# Altium PCB STC12C5A60S2底板.PcbDoc
Units mil, origin at the board's own origin, x right, y up, seen from the top; angles counter-clockwise.
Board outline 3937.01 x 3937.01 mil, 2 copper layers (Top Layer, Bottom Layer); 74 components, 127 nets, 423 pads, 54 vias.
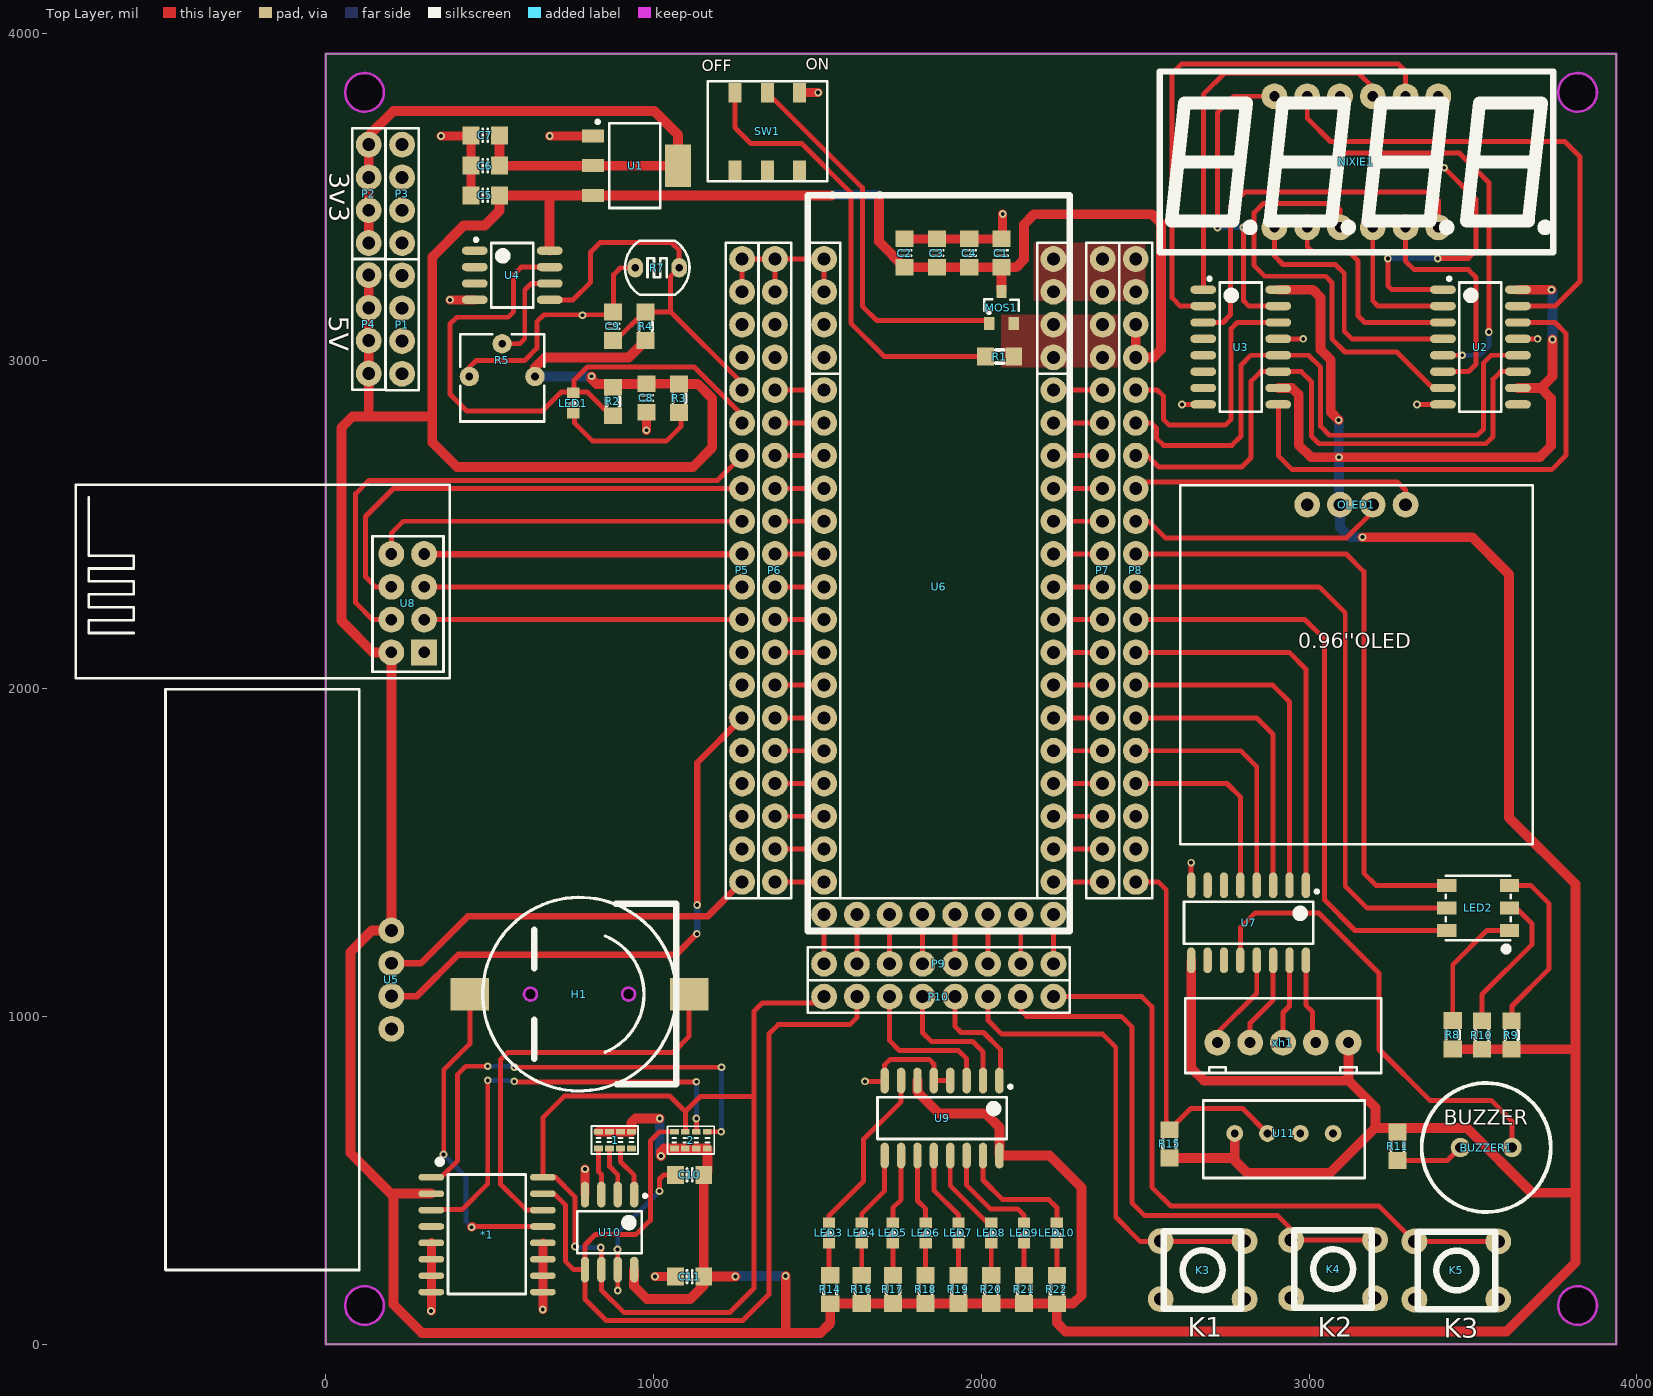
[diagram p0: Top Layer view]
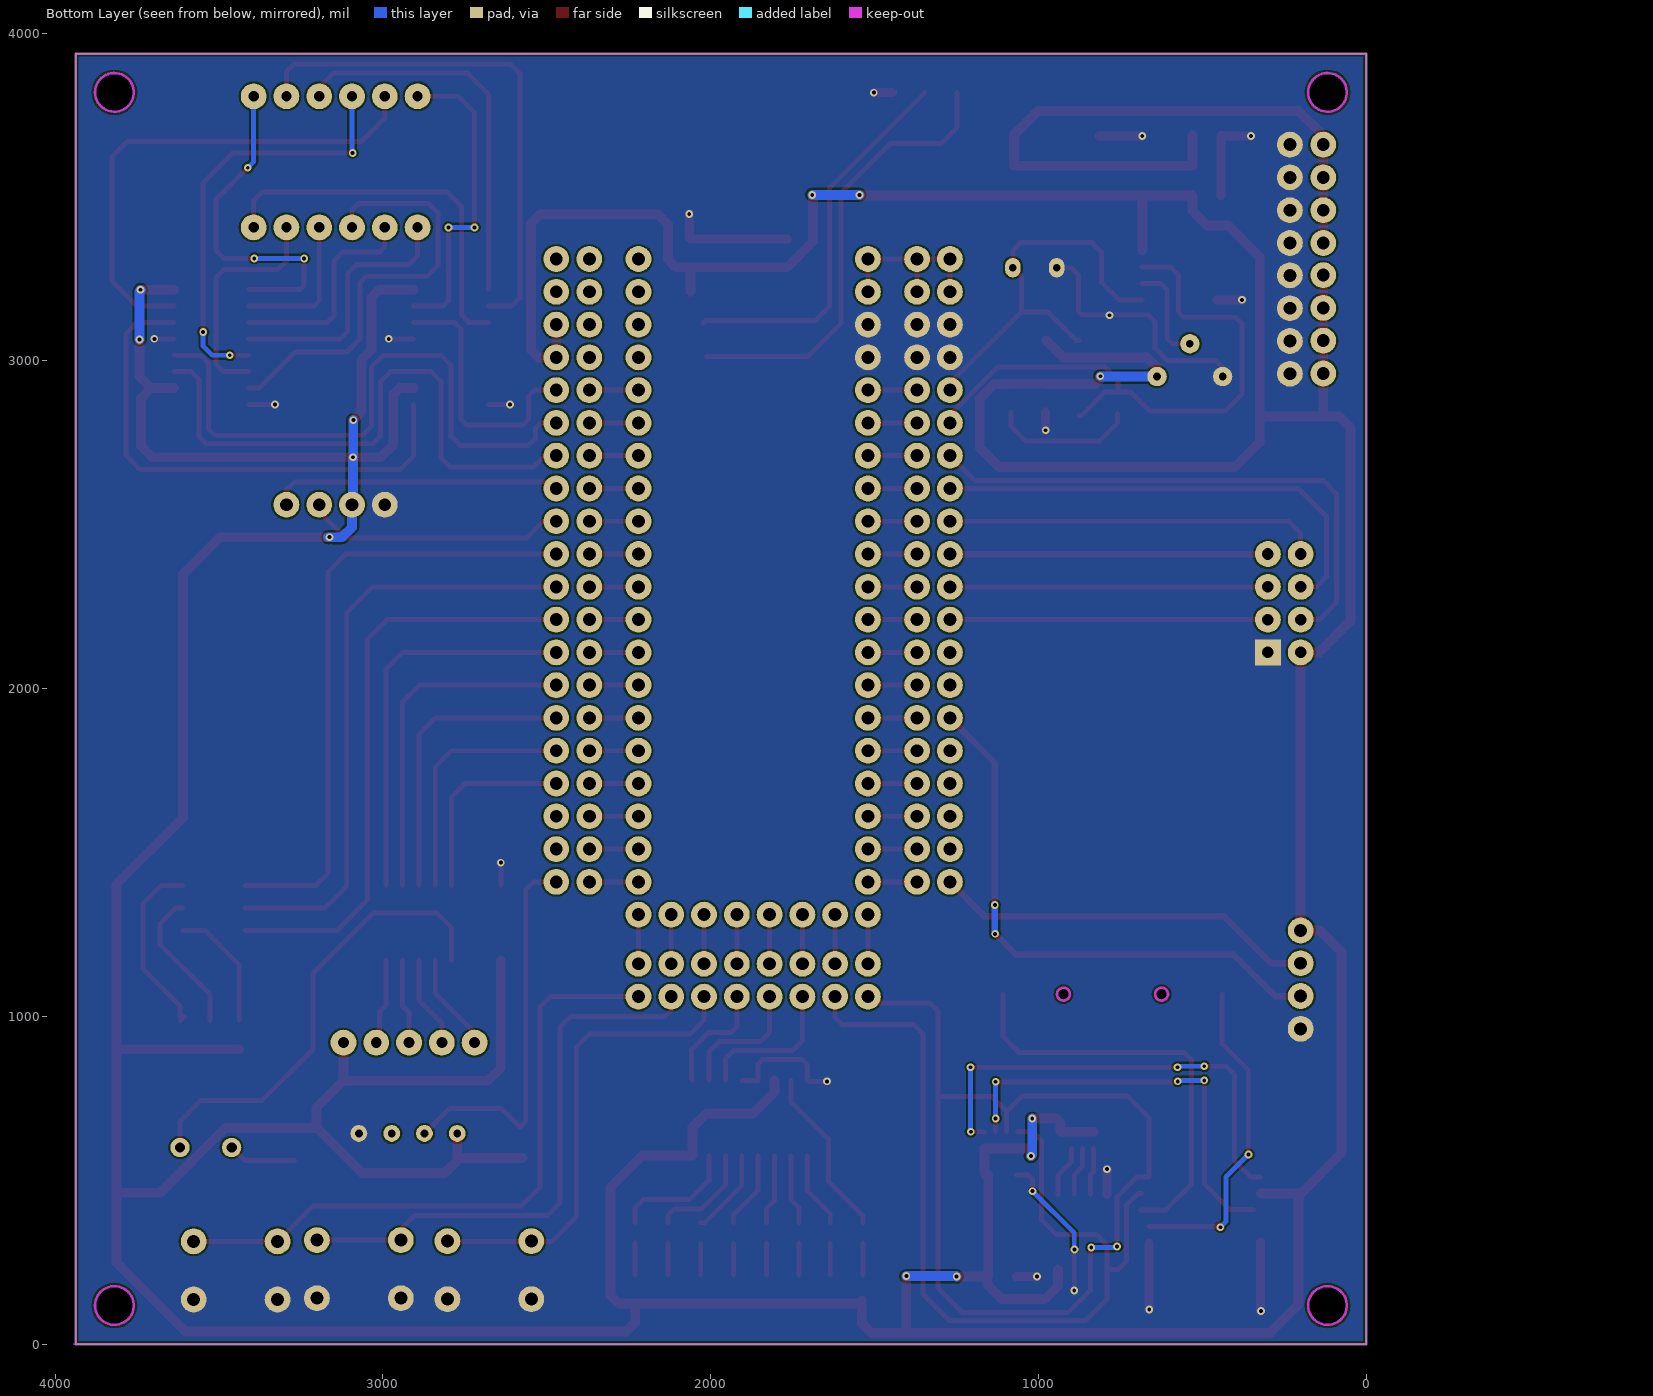
[diagram p1: Bottom Layer view, seen from below]

## Layer stack, top to bottom
Top Solder: solder mask 0.4, Solder Resist, Dk 3.5
Top Layer: signal copper 1.4
Dielectric 1: dielectric 12.6, FR-4, Dk 4.8
Bottom Layer: signal copper 1.4
Bottom Solder: solder mask 0.4, Solder Resist, Dk 3.5

## Board outline
0,3937.01 0,0 3937.01,0 3937.01,3937.01 0,3937.01
cut-out: 3759.84,3818.9 ccw(c3818.9,3818.9) 3818.9,3759.84 ccw(c3818.9,3818.9) 3877.95,3818.9 ccw(c3818.9,3818.9) 3818.9,3877.95 ccw(c3818.9,3818.9)
cut-out: 59.06,3818.9 ccw(c118.11,3818.9) 118.11,3759.84 ccw(c118.11,3818.9) 177.17,3818.9 ccw(c118.11,3818.9) 118.11,3877.95 ccw(c118.11,3818.9)
cut-out: 59.06,118.11 ccw(c118.11,118.11) 118.11,59.06 ccw(c118.11,118.11) 177.17,118.11 ccw(c118.11,118.11) 118.11,177.17 ccw(c118.11,118.11)
cut-out: 3759.84,118.11 ccw(c3818.9,118.11) 3818.9,59.06 ccw(c3818.9,118.11) 3877.95,118.11 ccw(c3818.9,118.11) 3818.9,177.17 ccw(c3818.9,118.11)

## Design rules (kind name [scope] priority, off if disabled: settings)
Clearance [All] p1: gap=6 ignorepadtopadclearanceinfootprint=FALSE except(0: Arc-Hole Track-Hole SMDPad-Hole THPad-Hole Via-Hole Fill-Hole Poly-Hole Region-Hole Text-Hole)
ComponentClearance [All] p1: gap=0 collisioncheckmode=3 verticalgap=0 showdistances=FALSE
PlaneConnect [All] p1: planeconnectstyle=Direct reliefexpansion=20 reliefentries=4 reliefconductorwidth=10 reliefairgap=10
PolygonConnect [All] p1: connectstyle=Direct reliefconductorwidth=10 reliefentries=4 polygonreliefangle="90 Angle" airgapwidth=10
RoutingVias [All] p1: holewidth=11.81 width=23.62 viastyle="Through Hole" minholewidth=11.81 minwidth=23.62 maxholewidth=236.22 maxwidth=248.03
SolderMaskExpansion [All] p1: expansion=4
Width [All] p1: maxlimit=787.4 minlimit=15 preferedwidth=15
28 further rules are at their usual default settings.

## Components (designator, comment, footprint, x,y, rotation, side; value= is the part's Value field where it differs from the comment)
1 "R30" 排阻(0603) 766.02,710.29 r270 top
2 "R21" 排阻(0603) 1230.13,534.89 r90 top
*1 "DS3231" DS3231 211,166 r0 top
BUZZER1 "BUZZER 9.6X5.5_4MM" BUZZER9.6X4_4MM 3540,600 r0 top
C1 "22μF" C_0805 2061.34,3328.85 r90 top
C2 "22μF" C_0805 1766.06,3328.85 r90 top
C3 "10μF" C_0805 1864.49,3328.85 r90 top
C4 "0.1μF" C_0805 1962.91,3328.85 r90 top
C5 "10μF" C_0805 486.48,3504.43 r180 top
C6 "10μF" C_0805 486.48,3595.23 r180 top
C7 "0.1μF" C_0805 486.48,3687.73 r180 top
C8 "0.1μF" C_0805 978,2886.69 r90 top
C9 "0.1μF" C_0805 876,3105.69 r90 top
C10 "0.1μF" C_0805 1109.9,516.49 r180 top
C11 "0.1μF" C_0805 1109.9,206.49 r180 top
H1 "CR1220" HOLDER_CR1220_SMD 774,1068 r90 top
K3 "TACT SWITCH_4_DIP" "TACT SWITCH_4_DIP" 2675,226 r180 top
K4 "TACT SWITCH_4_DIP" "TACT SWITCH_4_DIP" 3073,229 r180 top
K5 "TACT SWITCH_4_DIP" "TACT SWITCH_4_DIP" 3449,225 r180 top
LED1 "LED_0603-R" LED_0603-R 755,2871 r90 top
LED2 "RGB" "LED 5050_RGB" 3515.58,1331.1 r180 top
LED3 "LED_0603-G" LED_0603-G 1535.06,339.47 r90 top
LED4 "LED_0603-G" LED_0603-G 1635.06,339.47 r90 top
LED5 "LED_0603-G" LED_0603-G 1730.06,339.47 r90 top
LED6 "LED_0603-G" LED_0603-G 1830.06,339.47 r90 top
LED7 "LED_0603-G" LED_0603-G 1930.06,339.47 r90 top
LED8 "LED_0603-G" LED_0603-G 2030.06,339.47 r90 top
LED9 "LED_0603-G" LED_0603-G 2130.06,339.47 r90 top
LED10 "LED_0603-G" LED_0603-G 2230.06,339.47 r90 top
MOS1 "SI2301" SOT_23_3 2061.34,3162.38 r0 top
NIXIE1 "Nixie Tube_CC(0.36in)_4" "NIXIE TUBE_4(0.36IN)" 3144,3607 r0 top
OLED1 "0.96''" "OLED 0.96''" 3144,2620.06 r0 top
P1 "PIN4" PIN_4 233,3110.43 r270 top
P2 "PIN4" PIN_4 131,3509.43 r270 top
P3 "PIN4" PIN_4 233,3509.43 r270 top
P4 "PIN4" PIN_4 131,3111.43 r270 top
P5 "PIN20" PIN_20 1270,2360.58 r90 top
P6 "PIN20" PIN_20 1370.1,2360.58 r90 top
P7 "PIN20" PIN_20 2370.1,2360.58 r90 top
P8 "PIN20" PIN_20 2471,2360.58 r90 top
P9 "PIN8" PIN_8 1870.1,1160.58 r0 top
P10 "PIN8" PIN_8 1870.1,1060.58 r0 top
R1 "100KΩ" R_0805 2055.69,3013 r0 top
R2 "10KΩ" R_0805 876,2876 r90 top
R3 "1KΩ" R_0805 1078,2885.69 r90 top
R4 "10kΩ" R_0805 976,3105.69 r90 top
R5 "10kΩ" RP_3362P 538,3002 r180 top
R7 "5516" GM55-55XX 1011.07,3284 r180 top
R8 "Ω" R_0805 3437.95,943.9 r270 top
R9 "Ω" R_0805 3616.84,943.31 r270 top
R10 "Ω" R_0805 3526.84,943.31 r270 top
R11 "100Ω" R_0805 3270,604 r90 top
R14 "Ω" R_0805 1539,167 r90 top
R15 "4.7kΩ" R_0805 2574,611 r270 top
R16 "Ω" R_0805 1635.06,167.36 r90 top
R17 "Ω" R_0805 1730.06,167.36 r90 top
R18 "Ω" R_0805 1830.06,167.36 r90 top
R19 "Ω" R_0805 1930.06,167.36 r90 top
R20 "Ω" R_0805 2030.06,167.36 r90 top
R21 "Ω" R_0805 2130.06,167.36 r90 top
R22 "5kΩ" R_0805 2230.06,167.11 r90 top
SW1 "switchi_slide(SMD)" SWITCHI_SLIDE(SMD) 1347,3700 r270 top
U1 "1117-3.3" SOT_223 942.64,3595.23 r270 top
U2 "74HC595" SOP_16 3522.43,3042 r0 top
U3 "74HC595" SOP_16 2791.43,3042 r0 top
U4 "LM393_DIP" SOP_8 569,3261 r0 top
U5 "SR04" SR04 200,1112.2 r270 top
U6 "socket" STC12_moudle 1870.1,1260.58 r0 top locked
U7 "ULN2003_SMD" SOP_16 2815,1285.57 r270 top
U8 "2.4G" NRF24L01 300,2110.58 r0 top
U9 "74HC138" SOP_16 1880,690 r270 top
U10 "AT24C32" SOP_8 865.69,342.01 r270 top
U11 "DHT11" DHT11 2923,643 r0 top
xh1 "XH2.54_5" XH2.54_5 2920,920 r0 top

## Footprints (in the part's own frame and the unit in brackets; to place one, negate y for a bottom-side part, rotate by r counter-clockwise, add the part's x,y. Pads: shape width x height; smd on the part's side, far side on the other; paste and mask are expansions set on the pad)
BUZZER9.6X4_4MM [mm]
  round 1.5 hole 0.8: 1(-2,0) 2(2,0)
  silkscreen extent -5,-5 5,5
C_0805 [mm]
  rect 1.3x1.4 smd: 1(-1.1,0) 2(1.1,0)
  silkscreen extent -0.2,-0.5 0.2,0.5, body extent -1,-0.63 1,0.62, height 0.78
DHT11 [mm]
  round 1.3 hole 0.6: 1(-3.81,0) 2(-1.27,0) 3(1.27,0) 4(3.81,0)
  silkscreen extent -6.25,-3.45 6.25,2.55, body extent -6,-2.8 6,2.7, height 16.25
DS3231 [mm]
  oval 2x0.51 smd: 1(2.819,8.716) 2(2.819,7.446) 3(2.819,6.176) 4(2.819,4.906) 5(2.819,3.636) 6(2.819,2.366) 7(2.819,1.096) 8(2.819,-0.174) 9(11.459,-0.174) 10(11.459,1.096) 11(11.459,2.366) 12(11.459,3.636) 13(11.459,4.906) 14(11.459,6.176) 15(11.459,7.446) 16(11.459,8.716)
  silkscreen extent 3.48,-0.33 10.13,9.93, body extent 2.72,-0.86 15.42,9.3, height 0.25
GM55-55XX [mm]
  oval 1.2x1.5 hole 0.6: 1(-1.7,0) 2(1.7,0)
  silkscreen extent -2.5,-2.1 2.5,2.1
HOLDER_CR1220_SMD [mm]
  rect 2.5x3 smd: 1(0,-8.5) 2(0,8.5)
  Keep-Out Layer board cut-out: 0,3.3 -0.191,3.338 -0.354,3.446 -0.462,3.609 -0.5,3.8 -0.5,3.8 -0.462,3.991 -0.354,4.154 -0.191,4.262 0,4.3 0,4.3 0.191,4.262 0.354,4.154 0.462,3.991 0.5,3.8 0.5,3.8 0.462,3.609 0.354,3.446 0.191,3.338 0,3.3
  Keep-Out Layer board cut-out: -0.5,-3.8 -0.462,-3.991 -0.354,-4.154 -0.191,-4.262 0,-4.3 0,-4.3 0.191,-4.262 0.354,-4.154 0.462,-3.991 0.5,-3.8 0.5,-3.8 0.462,-3.609 0.354,-3.446 0.191,-3.338 0,-3.3 0,-3.3 -0.191,-3.338 -0.354,-3.446 -0.462,-3.609 -0.5,-3.8
  Keep-Out Layer circle w0.2: c0,3.8 r0.5
  Keep-Out Layer circle w0.2: c0,-3.8 r0.5
  silkscreen extent -7.5,-7.5 7.5,7.5, body extent -7.35,-9.6 7.4,9.2, height 4.23
"LED 5050_RGB" [mm]
  rect 1.5x1 smd: 1(2.428,1.75) 2(-2.428,1.75) 3(2.428,0) 4(-2.428,0) 5(2.428,-1.75) 6(-2.428,-1.75)
  silkscreen extent -2.51,-2.5 2.51,3.36, body extent -2.7,-2.5 2.7,2.5, height 1.5
LED_0603-G [mm]
  rect 0.8x0.96 smd: 1(-0.79,0) 2(0.79,0)
  silkscreen extent -0.28,-0.56 0.28,0.56, body extent -0.85,-0.45 0.85,0.45, height 0.9
LED_0603-R [mm]
  rect 0.8x0.96 smd: 1(-0.79,0) 2(0.79,0)
  silkscreen extent -0.28,-0.56 0.28,0.56, body extent -0.85,-0.45 0.85,0.45, height 0.9
"NIXIE TUBE_4(0.36IN)" [mm]
  round 2 hole 0.8: 1(-6.35,-5.08) 2(-3.81,-5.08) 3(-1.27,-5.08) 4(1.27,-5.08) 5(3.81,-5.08) 6(6.35,-5.08) 7(6.35,5.08) 8(3.81,5.08) 9(1.27,5.08) 10(-1.27,5.08) 11(-3.81,5.08) 12(-6.35,5.08)
  silkscreen extent -15.24,-7 15.24,7, body extent -15.24,-7 15.24,7, height 7.21
NRF24L01 [mm]
  rect 2x2 hole 0.9: 1(0,0)
  round 2 hole 0.9: 2(-2.54,0) 3(0,2.54) 4(-2.54,2.54) 5(0,5.08) 6(-2.54,5.08) 7(0,7.62) 8(-2.54,7.62)
  silkscreen extent -27,-2 2,13, body extent -27.25,-2 1.75,13, height 15
"OLED 0.96''" [mm]
  round 2 hole 1: 1(-3.81,-1.5) 2(-1.27,-1.5) 3(1.27,-1.5) 4(3.81,-1.5)
  silkscreen extent -13.65,-27.8 13.65,0
PIN_4 [mm]
  round 2 hole 1: 1(-3.81,0) 2(-1.27,0) 3(1.27,0) 4(3.81,0)
  silkscreen extent -5.08,-1.27 5.08,1.27, body extent -5.08,-1.27 5.08,1.27, height 8.51
PIN_8 [mm]
  round 2 hole 1: 1(-8.89,0) 2(-6.35,0) 3(-3.81,0) 4(-1.27,0) 5(1.27,0) 6(3.81,0) 7(6.35,0) 8(8.89,0)
  silkscreen extent -10.16,-1.27 10.16,1.27, body extent -10.16,-1.27 10.16,1.27, height 8.51
PIN_20 [mm]
  round 2 hole 1: 1(-24.13,0) 2(-21.59,0) 3(-19.05,0) 4(-16.51,0) 5(-13.97,0) 6(-11.43,0) 7(-8.89,0) 8(-6.35,0) 9(-3.81,0) 10(-1.27,0) 11(1.27,0) 12(3.81,0) 13(6.35,0) 14(8.89,0) 15(11.43,0) 16(13.97,0) 17(16.51,0) 18(19.05,0) 19(21.59,0) 20(24.13,0)
  silkscreen extent -25.4,-1.27 25.4,1.27, body extent -25.4,-1.27 25.4,1.27, height 8.51
R_0805 [mm]
  rect 1.3x1.4 smd: 1(-1.1,0) 2(1.1,0)
  silkscreen extent -0.3,-0.5 0.3,0.5, body extent -1.15,-0.67 1.15,0.68, height 0.76
RP_3362P [mm]
  round 1.5 hole 0.6: 1(-2.54,1.27) 2(0,-1.27) 3(2.54,1.27)
  silkscreen extent -3.25,-2 3.25,4.75, body extent -3.35,-2.2 3.35,4.84, height 4.34
SOP_8 [mm]
  oval 2x0.65 smd: 1(-2.906,1.905) 2(-2.906,0.635) 3(-2.906,-0.635) 4(-2.906,-1.905) 5(2.906,-1.905) 6(2.906,-0.635) 7(2.906,0.635) 8(2.906,1.905)
  silkscreen extent -2.93,-2.5 1.63,2.88, body extent -3,-2.5 3,2.5, height 1.8
SOP_16 [mm]
  oval 2x0.65 smd: 1(-2.906,4.445) 2(-2.906,3.175) 3(-2.906,1.905) 4(-2.906,0.635) 5(-2.906,-0.635) 6(-2.906,-1.905) 7(-2.906,-3.175) 8(-2.906,-4.445) 9(2.906,-4.445) 10(2.906,-3.175) 11(2.906,-1.905) 12(2.906,-0.635) 13(2.906,0.635) 14(2.906,1.905) 15(2.906,3.175) 16(2.906,4.445)
  silkscreen extent -2.55,-5 1.63,5.42, body extent -3.06,-5 3.06,5, height 1.48
SOT_23_3 [mm]
  rect 0.8x1 smd: 1(-0.95,-1.235) 2(0.95,-1.235) 3(0,1.235)
  silkscreen extent -1.35,-0.45 1.35,0.65, body extent -1.45,-1.19 1.45,1.19, height 1.02
SOT_223 [mm]
  rect 1x1.7 smd: 1(-2.3,-3.25) 2(0,-3.25) 3(2.3,-3.25)
  rect 3.3x2 smd: 2(0,3.349)
  silkscreen extent -3.53,-3 3.28,1.98, body extent -3.25,-3.51 3.25,3.51, height 1.93
SR04 [mm]
  round 2 hole 1: 1(-3.81,0) 2(-1.27,0) 3(1.27,0) 4(3.81,0)
  silkscreen extent -22.5,-17.5 22.5,-2.5, body extent -22.75,-17.82 22.25,0.25, height 22.5
STC12_moudle [mm]
  round 2 hole 1: 1(-8.89,49.53) 1(-8.89,52.07) 2(-8.89,44.45) 2(-8.89,46.99) 3(-8.89,41.91) 4(-8.89,39.37) 5(-8.89,36.83) 6(-8.89,34.29) 7(-8.89,31.75) 8(-8.89,29.21) 9(-8.89,26.67) 10(-8.89,24.13) 11(-8.89,21.59) 12(-8.89,19.05) 13(-8.89,16.51) 14(-8.89,13.97) 15(-8.89,11.43) 16(-8.89,8.89) 17(-8.89,6.35) 18(-8.89,3.81) 19(-8.89,1.27) 20(-6.35,1.27) 21(-3.81,1.27) 22(-1.27,1.27) 23(1.27,1.27) 24(3.81,1.27) 25(6.35,1.27) 26(8.89,1.27) 27(8.89,3.81) 28(8.89,6.35) 29(8.89,8.89) 30(8.89,11.43) 31(8.89,13.97) 32(8.89,16.51) 33(8.89,19.05) 34(8.89,21.59) 35(8.89,24.13) 36(8.89,26.67) 37(8.89,29.21) 38(8.89,31.75) 39(8.89,34.29) 40(8.89,36.83) 41(8.89,39.37) 42(8.89,41.91) 43(8.89,44.45) 43(8.89,46.99) 44(8.89,49.53) 44(8.89,52.07)
  silkscreen extent -10.16,0 10.16,57, body extent -10.29,0.02 10.28,53.46, height 8.5
SWITCHI_SLIDE(SMD) [mm]
  rect 1.5x1 smd: 1(-3,2.5) 2(-3,0) 3(-3,-2.5) 4(3,-2.5) 5(3,0) 6(3,2.5)
  silkscreen extent -3.88,-4.6 3.88,4.65, body extent -3.45,-4.55 3.45,4.5, height 5.45
"TACT SWITCH_4_DIP" [mm]
  round 2 hole 1: 1(-3.25,2.25) 1(3.25,2.25) 2(-3.25,-2.25) 2(3.25,-2.25)
  silkscreen extent -3,-3 3,3, body extent -3.55,-3 3.55,3, height 5.51
XH2.54_5 [mm]
  round 2 hole 0.85: 1(-5.08,0) 2(-2.54,0) 3(0,0) 4(2.54,0) 5(5.08,0)
  silkscreen extent -7.56,-2.35 7.62,3.45
排阻(0603) [mm]
  rect 0.45x0.67 smd mask+0.05: 1(2.878,4.23) 2(2.878,3.38) 3(2.878,2.53) 4(2.878,1.68) 5(1.578,1.68) 6(1.578,2.53) 7(1.578,3.38) 8(1.578,4.23)
  silkscreen extent 1.14,1.14 3.3,4.75

## Part data
1 2: library part 排阻(0603)
C1 C2 C3 C4 C5 C6 C7 C8 C9 C10 C11: library part C_0805
H1: library part holder_CR1220_SMD
LED2: library part LED_5050_RGB
OLED1: library part "OLED 0.96''_module"
R1 R2 R3 R4 R8 R9 R10 R11 R14 R15 R16 R17 R18 R19 R20 R21 R22: library part R_0805
R5: library part RP_3362P
R7: library part GM55-55XX
U1: library part AMS1117-3.3
U6: library part STC12C_module
U8: library part NRF24L01

## Via types
v1: diameter 23.62, hole 11.81, Top Layer to Bottom Layer, 54 vias

## Nets (pads, with @x,y where several pads share a name; then routed paths per layer and width w, separated by ;. In a path a pad name is that pad's centre, name@x,y a point inside that pad or via, vN(x,y) a via of type N, cw(c..) or ccw(c..) an arc to the next point about the centre after c; other vN are vias at no path point)
3V3: C6.1 C7.1 P2.1 P2.2 P2.3 P2.4 U1.2 | length 2063.6
  Top Layer w30: P2.4 P2.3 P2.2 P2.1 131,3687 206,3762 1002,3762 1074.49,3689.51 1074.49,3595.23 814.69,3595.23 C6.1 C7.1
5V: MOS1.2 P7.17 P7.18 R1.2 U6.43
24L01_CE: P5.13 U8.6 | length 1460
  Top Layer w15: U8.6 151.42,2310.58 121,2341 121,2525 206.58,2610.58 P5.13
24L01_CSN: P5.14 U8.4 | length 1690.2
  Top Layer w15: U8.4 142.42,2210.58 91,2262 91,2595 131.5,2635.5 1194.92,2635.5 P5.14
24L01_IRQ: P5.12 U8.8 | length 1148.6
  Top Layer w15: U8.8 200,2474 236.58,2510.58 P5.12
24L01_MISO: P5.11 U8.7 | length 970
  Top Layer w20: U8.7 P5.11
24L01_MOSI: P5.10 U8.5 | length 970
  Top Layer w15: U8.5 P5.10
24L01_SCK: P5.9 U8.3 | length 970
  Top Layer w15: U8.3 P5.9
32K: 2.4 *1.1 | length 1421.8
  Top Layer w15: *1.1@322,510.15 352.16,510.15 402.16,560.15 402.16,823.16 427,848 v1(494,848) ; v1(576,845) v1(1207,845) ; 2.4@1164,646 2.4 v1(1206.18,648.18)
  Bottom Layer w15: v1(494,848) 573,848 v1(576,845) ; v1(1206.18,648.18) 1207,649 v1(1207,845)
74HC595_RCLK: P8.14 U2.11 U3.11 | length 1819.2
  Top Layer w15: P8.14 2506.42,2710.58 2541,2676 2794,2676 2823,2705 2823,2938 2852,2967 U3.11 2976,2967 3007,2936 3007,2770 3030,2747 3539,2747 3561,2769 3561,2944 3584,2967 U2.11
74HC595_SER: P8.16 U3.14 | length 811.9
  Top Layer w15: P8.16 2537.42,2910.58 2555,2893 2555,2822 2573,2804 2744,2804 2762,2822 2762,3098 2781,3117 U3.14
74HC595_SRCLK: P8.15 U2.12 U3.12 | length 1879.3
  Top Layer w15: P8.15 2518.42,2810.58 2534,2795 2534,2764 2556,2742 2764,2742 2792,2770 2792,2987 2822,3017 U3.12 2998,3017 3035,2980 3035,2800 3062,2773 3513,2773 3532,2792 3532,2994 3555,3017 U2.12
AO: C9.1 P5.16 R4.2 R7.1 U4.5 | length 1270.3
  Top Layer w15: U4.5 754,3186 808,3240 808,3332 837,3361 1054,3361 1078,3337 R7.1 1052,3258 1052,3149 ; C9.1 885,3062.39 971.61,3149 R4.2 1052,3149 ; P5.16 1270,2931 1052,3149
DHT11_DATA: P8.1 R15.1 U11.2 | length 1181.3
  Top Layer w15: P8.1 2539.42,1410.58 2564,1386 2564,679.31 2581.5,661.81 2638.69,719 2797,719 U11.2
DO: LED1.2 P5.15 R2.1 U4.7 | length 1881.3
  Top Layer w15: U4.7 596,3286 573,3263 573,3149.76 556.24,3133 399,3133 379,3113 379,2898 430,2847 660,2847 717.79,2904.79 LED1.2@756.9,2904.79 ; R2.1@878,2834 868,2834 797.21,2904.79 LED1.2@756.9,2904.79 ; P5.15 1262.58,2818 1262.58,2842.42 1123.5,2981.5 798.5,2981.5 756.9,2939.9 LED1.2@756.9,2904.79
DS3231_SCL: 2.2 *1.16 P10.1 U10.6 | length 3031.1
  Top Layer w15: v1(760,298) 760,450 699.85,510.15 662.16,510.15 662.16,691.16 728,757 1050,757 1094.5,712.5 ; v1@840.69,295 U10.6 840.69,165.31 909,97 1233,97 1306,170 1306,756 ; 2.2 1097.07,709.93 1143.14,756 1306,756 ; P10.1 1500.52,1041 1332,1041 1306,1015 1306,756
  Bottom Layer w15: v1@763,295 v1(839,295)
DS3231_SDA: 2.1 *1.15 P10.2 U10.5 | length 2796.8
  Top Layer w15: *1.15@683.16,460.15 695.78,460.15 731,424.93 731,253 756.42,227.58 U10.5 ; 2.1 1018.18,648.18 990,620 990,378 947,335 823,335 790.69,302.69 U10.5 ; P10.2 1620.1,996.1 1599,975 1380,975 1352,947 1352,152 1272.46,72.46 855.54,72.46 790.69,137.31 U10.5
GND: *1.5 *1.6 *1.7 *1.8 *1.9 *1.10 *1.11 *1.12 C1.2 C2.2 C3.2 C4.2 C5.2 C6.2 C7.2 C8.1 C9.2 C10.2 C11.2 K3.1 K4.1 K5.1 OLED1.1 P1.1 P1.2 P1.3 P1.4 P3.1 P3.2 P3.3 P3.4 P5.17 P5.18 P6.17 P6.18 R5.3 R7.2 SW1.1 U1.1 U2.8 U2.13 U3.8 U3.13 U4.4 U5.4 U6.2 U7.8 U8.1 U9.4 U9.5 U9.8 U10.4 U10.7 U11.4 | length 3457
  Top Layer w15: R5.3 438,2980.43 458.57,3001 607,3001 644,3038 644,3119 665.58,3140.58 867.58,3140.58 C9.2 878,3151 878,3263 899,3284 R7.2 ; v1(890.69,163.69) U10.7 v1@890.69,288.31 ; v1@1018,478 1018,504 1030.49,516.49 C10.2 ; v1(1645,802) 1702.57,802 U9.8 1705,852 1722,869 1841,869 1855,855 U9.5 U9.4 ; v1(2612,2867) U3.8 ; U7.8 v1(2640,1469) ; U3.13 v1(2982,3067) ; v1(3329,2867) U2.8 ; U2.13 v1(3697,3067)
  Top Layer w27.56: U8.1@300,2099.85 U8.1 ; v1@322,102 *1.8 *1.7 *1.6 *1.5 *1.5@322,310.15 ; v1(351.22,3685.78) C7.2@441.22,3685.78 ; v1(379,3186) U4.4 ; C5.2 C6.2 C7.2 ; v1@662.16,106.16 *1.9 *1.10 *1.11 *1.12 ; v1(683.22,3685.78) U1.1 ; U10.4 v1(790.69,534) ; v1(978,2788) C8.1 ; v1(1004,206.49) C11.2 ; SW1.1 v1(1502,3818.11) ; C2.2 C3.2 C4.2 C1.2 2065,3375.82 v1(2065,3448)
  Bottom Layer w15: v1(890,289) 890.69,289.69 890.69,339.69 v1(1018,467)
  other v1: 321,101 662,106 783,3139
LED_B: LED2.1 P8.9 | length 1808.1
  Top Layer w15: P8.9 2987.42,2210.58 3047,2151 3047,1355 3139.8,1262.2 LED2.1
LED_G: LED2.5 P8.11 | length 1906.5
  Top Layer w15: P8.11 3113.42,2410.58 3167,2357 3167,1437 3204,1400 LED2.5
LED_R: LED2.3 P8.10 | length 1843.3
  Top Layer w15: P8.10 3030.42,2310.58 3110,2231 3110,1397 3175.9,1331.1 LED2.3
Net1_2: 1.2 U10.1 | length 157.8
  Top Layer w15: 1.2 899.07,556.93 940.69,515.31 U10.1
Net1_3: 1.3 U10.2 | length 151
  Top Layer w15: 1.3 865.61,542.39 890.69,517.31 U10.2
Net1_4: 1.4 U10.3 | length 144.1
  Top Layer w15: 1.4 832.14,526.55 840.69,518 U10.3
Net*1_13: *1.13 H1.2 | length 998.5
  Top Layer w15: v1@360,578 360,837 439.35,916.35 H1.2 ; v1@447.15,359.15 *1.13
  Top Layer w27.56: v1(445,357) v1@447.15,359.15
  Bottom Layer w15: v1(359,579) 428,510 428,374 v1(445,357)
Net*1_14: *1.14 H1.1 | length 1301.1
  Top Layer w15: *1.14@688,410 611,410 533,488 533,868 555,890 1059.2,890 1108.65,939.44 H1.1
NetBUZZER1_1: BUZZER1.1 R11.1 | length 207.5
  Top Layer w15: R11.1 3421.95,560.69 BUZZER1.1
NetBUZZER1_2: BUZZER1.2 U7.12 | length 1426.5
  Top Layer w15: U7.12 2790,1271 2834,1315 3030,1315 3213,1132 3213,899 3368,744 3555,744 3618.74,680.26 BUZZER1.2
NetK3_2: K3.2 P10.6 | length 1441.2
  Top Layer w15: P10.6 2020.1,987.96 2062.06,946 2370,946 2410,906 2410,388 2485,313 2796.39,313 K3.2@2802.95,319.57
NetK4_2: K4.2 P10.7 | length 1747.5
  Top Layer w15: P10.7 2120.1,1017.96 2138.06,1000 2426.61,1000 2460,966.61 2460,430 2497,393 2903,393 2945.05,350.95 2945.05,317.58 K4.2@3200.95,317.58
NetK5_2: K5.2 P10.8 | length 1989
  Top Layer w15: P10.8 2489.42,1060.58 2520,1030 2520,479 2577,422 3212.63,422 3321.05,313.58 K5.2@3576.95,313.58
NetLED1_1: LED1.1 R3.1 | length 439.5
  Top Layer w15: LED1.1@758.38,2839.38 758.38,2810.62 814,2755 1039,2755 1084.05,2800.05 R3.1@1084.05,2843.39
NetLED2_2: LED2.2 R8.1 | length 387.1
  Top Layer w15: R8.1 3437.95,1157.95 3542.2,1262.2 LED2.2
NetLED2_4: LED2.4 R10.1 | length 448
  Top Layer w15: R10.1 3526.84,1066.84 3680,1220 3680,1282 3630.9,1331.1 LED2.4
NetLED2_6: LED2.6 R9.1 | length 565.3
  Top Layer w15: LED2.6 3676,1400 3731,1345 3731,1144.15 3618.74,1031.89 3618.74,997.89 3605.57,997.89 R9.1
NetLED3_1: LED3.1 R14.2 | length 97.9
  Top Layer w15: R14.2@1534.67,210.67 1535.06,211.06 LED3.1
NetLED3_2: LED3.2 U9.7 | length 525
  Top Layer w15: LED3.2 1535.06,392.06 1641,498 1641,626 1755,740 U9.7
NetLED4_1: LED4.1 R16.2 | length 97.7
  Top Layer w15: R16.2 LED4.1
NetLED4_2: LED4.2 U9.9 | length 234
  Top Layer w15: LED4.2 1635.06,398.06 1705,468 U9.9
NetLED5_1: LED5.1 R17.2 | length 97.7
  Top Layer w15: R17.2 LED5.1
NetLED5_2: LED5.2 U9.10 | length 215.3
  Top Layer w15: LED5.2 1730.06,416.06 1755,441 U9.10
NetLED6_1: LED6.1 R18.2 | length 97.7
  Top Layer w15: R18.2 LED6.1
NetLED6_2: LED6.2 U9.11 | length 215.4
  Top Layer w15: U9.11 1805,438.06 1830.06,413 LED6.2
NetLED7_1: LED7.1 R19.2 | length 97.7
  Top Layer w15: R19.2 LED7.1
NetLED7_2: LED7.2 U9.12 | length 236.1
  Top Layer w15: U9.12 1855,470 1930.06,394.94 LED7.2
NetLED8_1: LED8.1 R20.2 | length 97.7
  Top Layer w15: R20.2 LED8.1
NetLED8_2: LED8.2 U9.13 | length 263.6
  Top Layer w15: U9.13 1905,484 2018.43,370.57 LED8.2
NetLED9_1: LED9.1 R21.2 | length 97.7
  Top Layer w15: R21.2 LED9.1
NetLED9_2: LED9.2 U9.14 | length 326.7
  Top Layer w15: U9.14 1955,485 2027,413 2111,413 2130.06,393.94 LED9.2
NetLED10_1: LED10.1 R22.2 | length 97.9
  Top Layer w15: R22.2 LED10.1
NetLED10_2: LED10.2 U9.15 | length 380.8
  Top Layer w15: U9.15 2005,501 2065,441 2206,441 2230.06,416.94 LED10.2
NetMOS1_1: MOS1.1 SW1.2 | length 1180.2
  Top Layer w15: SW1.2 1637,3528.11 1637,3167 1681,3123 2014.69,3123 MOS1.1
NetNIXIE1_1: NIXIE1.1 U2.4 | length 809.5
  Top Layer w15: NIXIE1.1 2894,3320 2920,3294 3080,3294 3107,3267 3107,3090 3130,3067 U2.4
NetNIXIE1_2: NIXIE1.2 U2.3 | length 667.1
  Top Layer w15: NIXIE1.2 2994,3348 3010,3332 3122,3332 3149,3305 3149,3137 3169,3117 U2.3
NetNIXIE1_3: NIXIE1.3 U2.7 | length 1328.5
  Top Layer w15: NIXIE1.3 3094,3461 3075,3480 2860,3480 2832,3452 2832,3290 2864,3258 3050,3258 3069,3239 3069,3067.43 3109.43,3027 3267,3027 3377,2917 U2.7
NetNIXIE1_4: NIXIE1.4 U2.2 | length 444.6
  Top Layer w15: NIXIE1.4 3194,3183 3210,3167 U2.2
NetNIXIE1_5: NIXIE1.5 U2.6 | length 713.5
  Top Layer w15: NIXIE1.5 3294,3304 3320,3278 3485.42,3278 3509,3254.42 3509,2990 3486,2967 U2.6
NetNIXIE1_6: NIXIE1.6 U3.3 | length 1169.1
  Top Layer w15: U3.3 2737,3117 2760,3140 2760,3472 2803,3515 3368,3515 3394,3489 NIXIE1.6
NetNIXIE1_7: NIXIE1.7 U2.1 | length 1073.1
  Top Layer w15: v1(3240,3312.42) 3240,3229.43 3252.43,3217 U2.1 ; v1(3392.17,3312.42) 3485.42,3312.42 3509,3336 3509,3492 v1@3418,3583
  Bottom Layer w15: v1(3240,3312.42) v1(3392.17,3312.42) v1@3394,3310.58 ; v1(3412,3589) 3394,3607 NIXIE1.7 NIXIE1.7@3412,3789
NetNIXIE1_8: NIXIE1.8 U3.2 | length 1599.9
  Top Layer w15: U3.2 2607,3167 2582,3192 2582,3877 2611,3906 3271,3906 3294,3883 NIXIE1.8
NetNIXIE1_9: NIXIE1.9 U3.1 | length 1184.9
  Top Layer w15: U3.1 2677,3813 2741.67,3877.67 3150.33,3877.67 3194,3834 NIXIE1.9
NetNIXIE1_10: NIXIE1.10 U2.5 | length 1317.7
  Top Layer w15: v1(3092,3634) 3458,3634 3548,3544 v1(3548,3088) ; U2.5 v1(3467,3017)
  Bottom Layer w15: v1(3092,3634) 3094,3636 NIXIE1.10 ; v1(3467,3017) 3520,3017 3548,3045 v1(3548,3088)
NetNIXIE1_11: NIXIE1.11 U2.15 | length 1548.1
  Top Layer w15: NIXIE1.11 2994,3740 3065,3669 3780,3669 3826,3623 3826,3243 3750,3167 U2.15
NetNIXIE1_12: NIXIE1.12 U3.15 | length 961.2
  Top Layer w15: v1(2720,3407) 2720,3757 2770,3807 NIXIE1.12 ; v1(2800,3407) 2800,3183 2816,3167 U3.15
  Bottom Layer w15: v1(2720,3407) v1(2800,3407)
NetP6_1: P6.1 U6.18 | length 150
  Top Layer w15: P6.1 U6.18
NetP6_2: P6.2 U6.17 | length 150
  Top Layer w15: P6.2 U6.17
NetP6_3: P6.3 U6.16 | length 150
  Top Layer w15: P6.3 U6.16
NetP6_4: P6.4 U6.15 | length 150
  Top Layer w15: P6.4 U6.15
NetP6_5: P6.5 U6.14 | length 150
  Top Layer w15: P6.5 U6.14
NetP6_6: P6.6 U6.13 | length 150
  Top Layer w15: P6.6 U6.13
NetP6_7: P6.7 U6.12 | length 150
  Top Layer w15: P6.7 U6.12
NetP6_8: P6.8 U6.11 | length 150
  Top Layer w15: P6.8 U6.11
NetP6_9: P6.9 U6.10 | length 150
  Top Layer w15: P6.9 U6.10
NetP6_10: P6.10 U6.9 | length 150
  Top Layer w15: P6.10 U6.9
NetP6_11: P6.11 U6.8 | length 150
  Top Layer w15: P6.11 U6.8
NetP6_12: P6.12 U6.7 | length 150
  Top Layer w15: P6.12 U6.7
NetP6_13: P6.13 U6.6 | length 150
  Top Layer w15: P6.13 U6.6
NetP6_14: P6.14 U6.5 | length 150
  Top Layer w15: P6.14 U6.5
NetP6_15: P6.15 U6.4 | length 150
  Top Layer w15: P6.15 U6.4
NetP6_16: P6.16 U6.3 | length 150
  Top Layer w15: P6.16 U6.3
NetP7_1: P7.1 U6.27 | length 150
  Top Layer w15: U6.27 P7.1
NetP7_2: P7.2 U6.28 | length 150
  Top Layer w15: U6.28 P7.2
NetP7_3: P7.3 U6.29 | length 150
  Top Layer w15: U6.29 P7.3
NetP7_4: P7.4 U6.30 | length 150
  Top Layer w15: U6.30 P7.4
NetP7_5: P7.5 U6.31 | length 150
  Top Layer w15: U6.31 P7.5
NetP7_6: P7.6 U6.32 | length 150
  Top Layer w15: U6.32 P7.6
NetP7_7: P7.7 U6.33 | length 150
  Top Layer w15: U6.33 P7.7
NetP7_8: P7.8 U6.34 | length 150
  Top Layer w15: U6.34 P7.8
NetP7_9: P7.9 U6.35 | length 150
  Top Layer w15: U6.35 P7.9
NetP7_10: P7.10 U6.36 | length 150
  Top Layer w15: U6.36 P7.10
NetP7_11: P7.11 U6.37 | length 150
  Top Layer w15: U6.37 P7.11
NetP7_12: P7.12 U6.38 | length 150
  Top Layer w15: U6.38 P7.12
NetP7_13: P7.13 U6.39 | length 150
  Top Layer w15: U6.39 P7.13
NetP7_14: P7.14 U6.40 | length 150
  Top Layer w15: U6.40 P7.14
NetP7_15: P7.15 U6.41 | length 150
  Top Layer w15: U6.41 P7.15
NetP7_16: P7.16 U6.42 | length 150
  Top Layer w15: U6.42 P7.16
NetP9_1: P9.1 U6.19 | length 150
  Top Layer w15: P9.1 U6.19
NetP9_2: P9.2 U6.20 | length 150
  Top Layer w15: P9.2 U6.20
NetP9_3: P9.3 U6.21 | length 150
  Top Layer w15: P9.3 U6.21
NetP9_4: P9.4 U6.22 | length 150
  Top Layer w15: P9.4 U6.22
NetP9_5: P9.5 U6.23 | length 150
  Top Layer w15: P9.5 U6.23
NetP9_6: P9.6 U6.24 | length 150
  Top Layer w15: P9.6 U6.24
NetP9_7: P9.7 U6.25 | length 150
  Top Layer w15: P9.7 U6.25
NetP9_8: P9.8 U6.26 | length 150
  Top Layer w15: P9.8 U6.26
NetP10_3: P10.3 U9.3 | length 471.4
  Top Layer w15: P10.3@1728.87,1051.82 P10.3 1720.1,925.76 1749.87,896 1930,896 1955,871 U9.3
NetP10_4: P10.4 U9.2 | length 406.6
  Top Layer w15: P10.4 1820.1,950.9 1847,924 1973,924 2005,892 U9.2
NetP10_5: P10.5 U9.1 | length 354.7
  Top Layer w15: P10.5 1920.1,968.9 1938,951 2006.43,951 2058.06,899.37 2058.06,807.49 U9.1
NetR1_1: R1.1 SW1.3 | length 1392.9
  Top Layer w15: SW1.3 1248.57,3711.43 1297,3663 1452,3663 1602,3513 1602,3115 1704,3013 R1.1
NetR5_2: R5.2 U4.6 | length 308.9
  Top Layer w15: R5.2 592,3052 607,3067 607,3216 627,3236 U4.6
NetU2_14: U2.14 U3.9 | length 1602.1
  Top Layer w15: U3.9 2905.85,2710.15 2948,2668 3740,2668 3783,2711 3783,3084 3750,3117 U2.14
NetU7_13: U7.13 xh1.1 | length 300.9
  Top Layer w15: xh1.1 2720,950 2840,1070 U7.13
NetU7_14: U7.14 xh1.2 | length 280.1
  Top Layer w15: xh1.2 2820,980 2890,1050 U7.14
NetU7_15: U7.15 xh1.3 | length 259.4
  Top Layer w15: xh1.3 2920,1011.89 2940,1031.89 U7.15
NetU7_16: U7.16 xh1.4 | length 263.6
  Top Layer w15: U7.16 2990,1034 3010,1014 3010,930 xh1.4
OLED_SCL: OLED1.3 P8.12 | length 797.1
  Top Layer w15: P8.12 2510.63,2510.58 2561.21,2460 3114,2460 3194,2540 OLED1.3@3194,2560
OLED_SDA: OLED1.4 P8.13 | length 887
  Top Layer w15: P8.13 2490.42,2630 3270,2630 3294,2606 OLED1.4@3294,2560
SQW: 2.3 *1.3 | length 1280
  Top Layer w15: *1.3@344,411 416,411 494,489 v1(494,805) ; v1@583.46,800.54 v1(1130.54,800.54) ; 2.3 v1(1130.54,688.46)
  Bottom Layer w15: v1(494,805) 572,805 v1(575,802) ; v1(1130.54,688.46) v1(1130.54,800.54)
SR04_ECHO: P5.6 U5.3 | length 1757.8
  Top Layer w20: U5.3 278.2,1062.2 404,1188 1068,1188 v1(1132,1252) ; v1(1133,1340) 1133,1773.58 P5.6 P5.6@1238.58,1910.58
  Bottom Layer w20: v1(1132,1252) 1133,1253 v1(1133,1340)
SR04_TRIG: P5.1 U5.2 | length 1172.9
  Top Layer w20: U5.2 290.2,1162.2 433,1305 1164.42,1305 P5.1
ULN2003_IN1: P8.8 U7.1 | length 1200
  Top Layer w15: P8.8 2939.42,2110.58 2990,2060 U7.1
ULN2003_IN2: P8.7 U7.2 | length 1050
  Top Layer w15: P8.7 2889.42,2010.58 2940,1960 U7.2
ULN2003_IN3: P8.6 U7.3 | length 900
  Top Layer w15: P8.6 2839.42,1910.58 2890,1860 U7.3
ULN2003_IN4: P8.5 U7.4 | length 751.1
  Top Layer w15: P8.5 2791.42,1810.58 2840,1762 U7.4
ULN2003_IN5: P8.4 U7.5 | length 605.8
  Top Layer w15: P8.4 2749.42,1710.58 2790,1670 U7.5
V-: P5.19 P5.20 P6.19 P6.20 U6.1 | length 550.1
  Top Layer w15: P5.19 P5.20 P6.20 ; P6.19 P6.20 ; U6.1@1520.1,3210.58 1520.1,3310.58 P6.20
VCC: 1.5 1.6 1.7 1.8 2.5 2.6 2.7 2.8 *1.2 C1.1 C2.1 C3.1 C4.1 C5.1 C8.2 C10.1 C11.1 MOS1.3 OLED1.2 P4.1 P4.2 P4.3 P4.4 P8.17 P8.18 R2.2 R3.2 R4.1 R5.1 R8.2 R9.2 R10.2 R11.2 R14.1 R15.2 R16.1 R17.1 R18.1 R19.1 R20.1 R21.1 R22.1 U1.3 U2.10 U2.16 U3.10 U3.16 U4.8 U5.1 U7.9 U8.2 U9.6 U9.16 U10.8 U11.1 xh1.5 | length 24713.8
  Top Layer w30: P4.1 P4.2 P4.3 P4.4 131,2834 135,2830 ; 202,456 75,583 75,1197 140.2,1262.2 U5.1 U8.2 144.42,2110.58 48,2207 48,2796 82,2830 135,2830 ; *1.2@322,460.15 206.15,460.15 206.15,120.85 293,34 1402,34 ; 325,2830 325,3317 421,3413 485,3413 529.78,3457.78 C5.1 682,3504.43 ; R5.1 638,2980 668.5,3010.5 924.11,3010.5 R4.1 ; U4.8 682,3337.43 682,3504.43 ; v1(811,2953) 811,2945 826.39,2929.61 977.61,2929.61 C8.2 1077,2930 R3.2 1135,2929 1179,2885 1179,2735 1120,2676 400,2676 325,2751 325,2828 323,2830 135,2830 ; 1.5 1.6 1.7 1.8 932.54,675.85 945.16,688.46 v1(1019,688.46) ; U10.8 940.69,177.31 980,138 1112,138 1153.2,179.2 1160.2,204.49 C11.1@1158.2,206.49 ; v1(1023,574) 1023,588 1032,597 2.8 2.7 2.6 2.5 1164,527.29 C10.1@1161.2,516.49 ; C11.1 C11.1@1158.2,206.49 ; C10.1 1153.2,211.49 C11.1@1158.2,206.49 ; v1(1249.49,206.49) C11.1@1158.2,206.49 ; v1(1403,208) 1403,35 1402,34 ; R14.1@1539,133 1539,64 1509,34 1402,34 ; v1@1543.68,3503.32 1542.57,3504.43 682,3504.43 ; R14.1@1556.01,124.06 R16.1 R17.1 R18.1 R19.1 R20.1 R21.1 2229.81,124.06 R22.1 ; v1@1688,3495 1688,3363.61 C2.1 C3.1 C4.1 C1.1 ; U9.6 1805,770 1871,704 2013,704 2055,662 U9.16 2207.43,575.57 2305,478 2305,149 2279.8,123.8 R22.1 ; MOS1.3 C1.1 ; P8.18 P8.17 2524.58,3010.58 2548,3034 2548,3419 2520,3447 2161,3447 2130.06,3416.06 2130.06,3309.06 2106.54,3285.54 C1.1 ; R15.2 2765.31,567.69 2773,560 ; U7.9 2640,843 2679,804 3120,804 ; U11.1 2773,560 ; U3.10 2948,2917 2968,2897 2968,2743 3005,2706 v1(3091,2706) 3704,2706 3738,2740 3738,2885.58 3706.58,2917 ; U3.16 3011,3217 3035,3193 3035,3034 3066,3003 3066,2843 v1(3090,2819) ; xh1.5 3120,804 ; v1(3162.5,2462) 3497,2462 3610,2349 3610,1606 3812,1404 3812,462 ; 3202,660 3481,660 3679,462 3812,462 ; R8.2 3438.54,900 R10.2 R9.2 3811,900 ; U2.10 3706.58,2917 ; U2.16 v1(3739,3217) ; v1(3742,3065) 3742,2952.42 3706.58,2917 ; R22.1 2230.06,65.94 2257,39 3602,39 3812,249 3812,462 ; 2773,560 2811,522 3063,522 3202,661 3202,722 3120,804
  Bottom Layer w30: R5.1 810,2952 v1(811,2953) ; v1(1019,688.46) 1019,578 v1(1023,574) ; v1(1249.49,206.49) 1251,208 v1(1403,208) ; v1(1546,3506) v1(1690,3506) ; v1(3090,2819) 3090,2707 v1(3091,2706) 3091,2564 OLED1.2 3094,2492 3124,2462 v1@3154,2462 ; v1(3162.5,2462) v1@3167,2462 ; v1(3739,3217) 3738,3216 3742,3212 v1(3742,3065)
VIN: P7.19 P7.20 P8.19 P8.20 U6.44
pads on no net: 1.1 *1.4 P5.2 P5.3 P5.4 P5.5 P5.7 P5.8 P8.2 P8.3 SW1.4 SW1.5 SW1.6 U2.9 U3.4 U3.5 U3.6 U3.7 U4.1 U4.2 U4.3 U7.6 U7.7 U7.10 U7.11 U11.3

## Polygon pours and split planes (outlines as drawn)
VIN on Top Layer "Top Layer-VIN" (solid, remove dead copper, shelved, pour order 43): 2180,3407
VIN on Top Layer "Top Layer-VIN 1" (solid, remove dead copper, pour order 42): 2160,3360 2500,3360 2500,3180 2497,3183 2160,3183
5V on Top Layer "Top Layer-5V" (solid, remove dead copper, pour order 41): 2061.34,3140 2420,3140 2420,2980 2060,2980 2060,3138.66
no net on Top Layer "Top Layer-GND" (solid, remove dead copper, shelved, pour order 40): 8,3935
no net on Top Layer "Top Layer-No Net 1" (solid, remove dead copper, shelved, pour order 39): 2043,3107
no net on Top Layer "Top Layer-No Net 2" (solid, remove dead copper, shelved, pour order 37): 2053,3107
no net on Top Layer "Top Layer-No Net" (solid, remove dead copper, shelved, pour order 33): 2115,3137
GND on Bottom Layer "Bottom Layer-No Net" (solid, remove dead copper, pour order 36): 0,3937.01 0,0 3937.01,0 3937.01,3937.01 0,3937.01
no net on Bottom Layer "Bottom Layer-No Net" (solid, remove dead copper, shelved, pour order 38): 0,3937.01 0,0 3937.01,0 3937.01,3937.01 0,3937.01
no net on Bottom Layer "Bottom Layer-No Net" (solid, remove dead copper, shelved, pour order 35): 0,3937.01 0,0 3937.01,0 3937.01,3937.01 0,3937.01
no net on Bottom Layer "Bottom Layer-No Net" (solid, remove dead copper, shelved, pour order 34): 0,3937.01 3937.01,3937.01 3937.01,0 0,0 0,3927
no net on Bottom Layer "Bottom Layer-No Net" (solid, remove dead copper, shelved, pour order 44): 0,3937.01 0,6 6,0 3937.01,0 3937.01,3937.01 0,3937.01
GND on Bottom Layer "Bottom Layer-No Net" (solid, remove dead copper, shelved, pour order 45): 3945,1 3944,0 3937.01,0 3937.01,3937.01 0,3937.01 0,0 3937.01,0

## Keep-outs
Keep-Out Layer:
  circle w7.87: c3818.9,3818.9 r59.06
  circle w7.87: c118.11,3818.9 r59.06
  circle w7.87: c118.11,118.11 r59.06
  circle w7.87: c3818.9,118.11 r59.06
  lines w7.87: 0,0 0,3937.01 3937.01,3937.01 3937.01,0 0,0

## Silkscreen, mask and mechanical layers (free items; w line width, h text height)
Top Overlay:
  text "ON" at 1464,3875 h60
  text "OFF" at 1147,3871 h60
  text "3v3" at 12,3575 h60 r270
  text "5V" at 11,3138 h60 r270
  text "K1" at 2629,23 h60
  text "K2" at 3026,23 h60
  text "K3" at 3411,20 h60

## Text inside footprints (layer, text, board x,y; h text height)
BUZZER1: Top Overlay "BUZZER" at 3411,654.31 h78.74
OLED1: Top Overlay "0.96''OLED" at 2966.83,2108.24 h78.74